# Allegro board HB1A-AAFM.brd (continued)
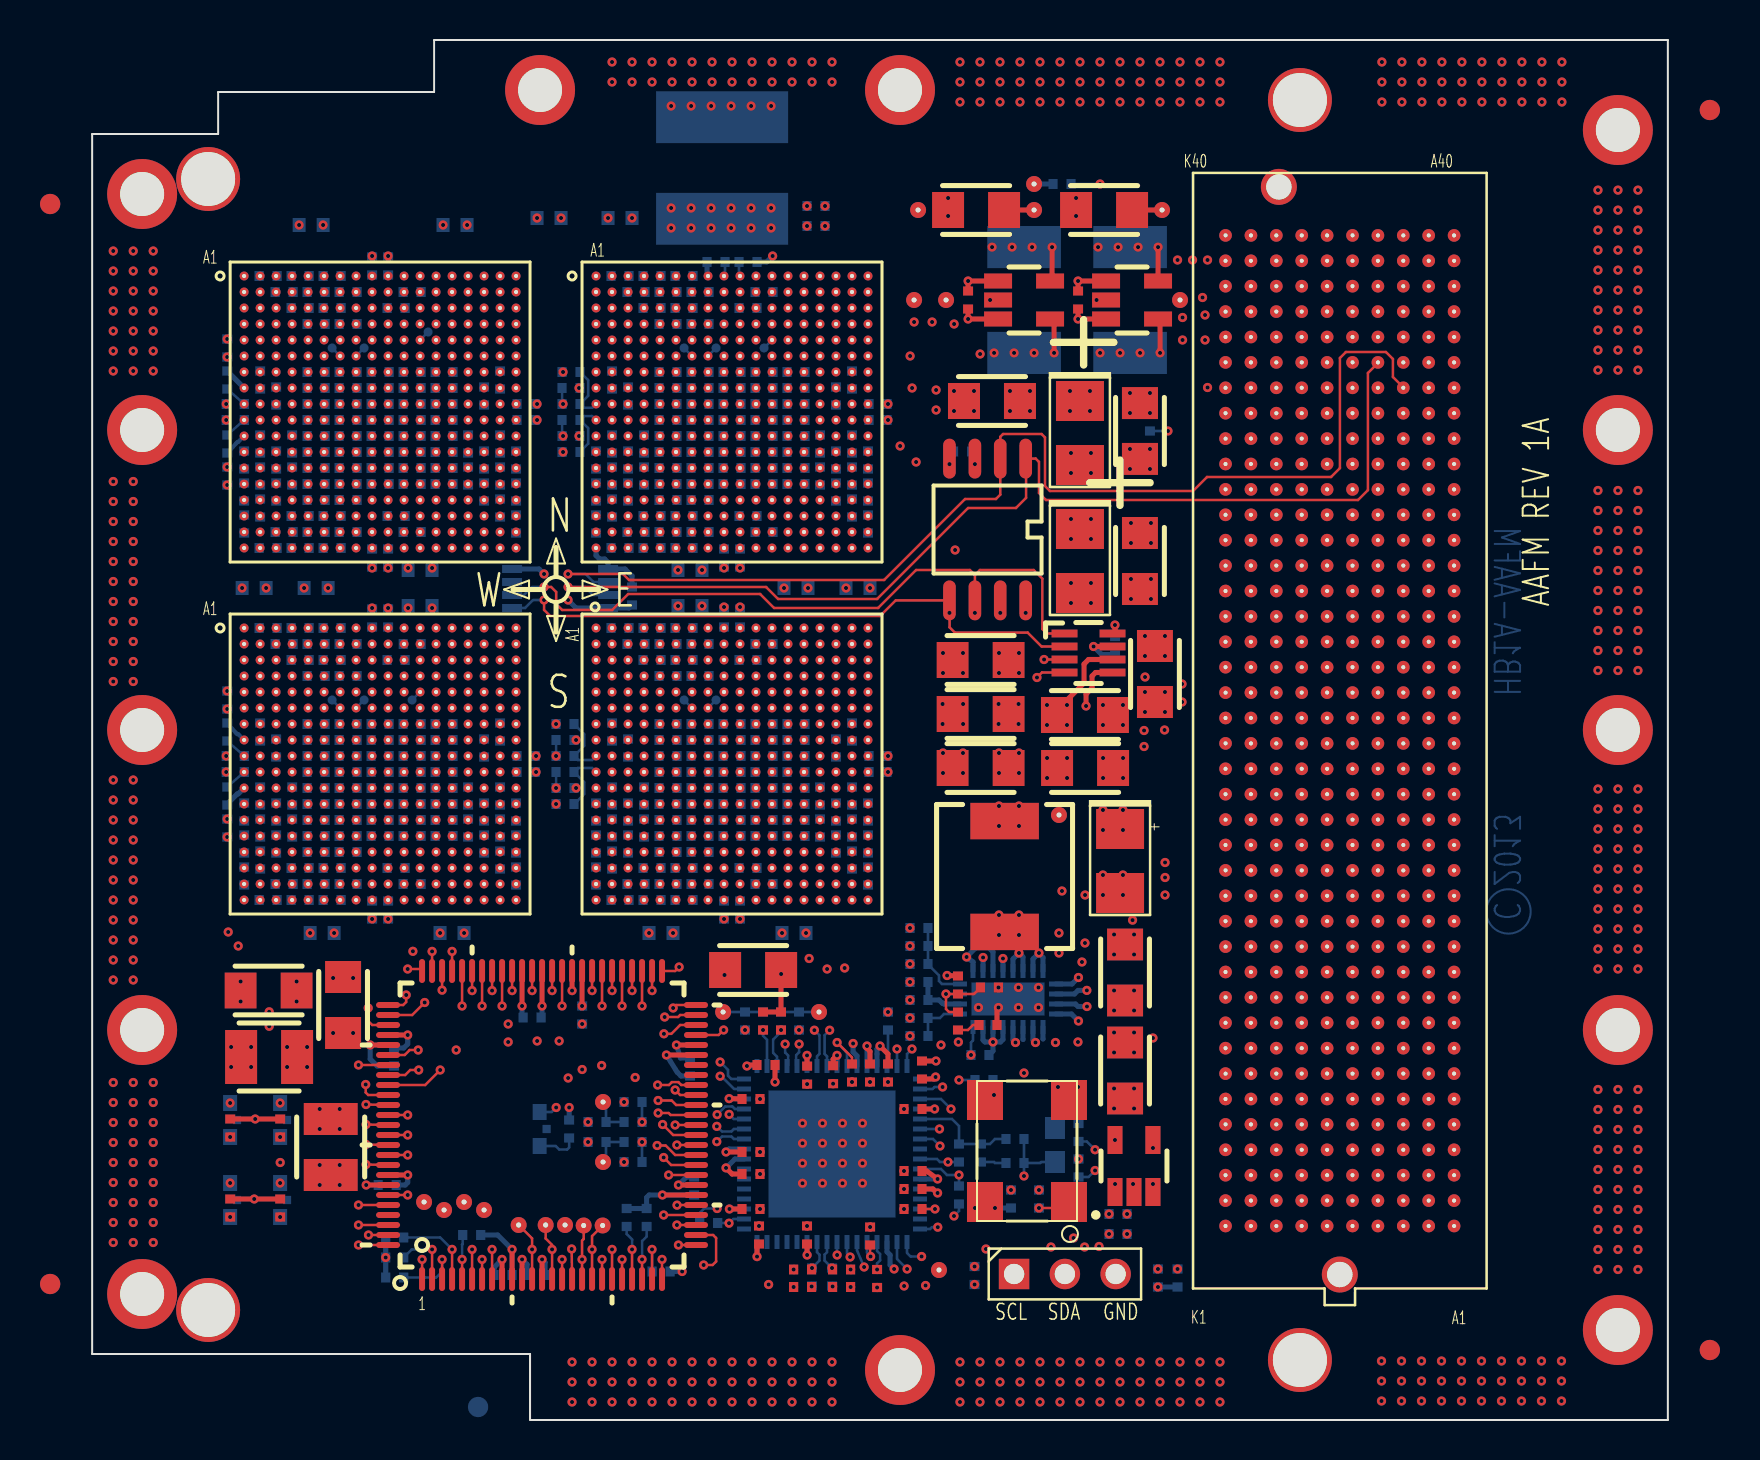
[diagram p0: board, top side]
## Routing (per net, layer and track width the routed paths; a pad name or vN(x,y) marks a point on that pad's centre or on a via; arc(x,y) is an arc through that point) (continued)
U4.E14 ; U4.E14 35.27,54.33 ; U4.E14 35.92,53.67 ; U4.E14 35.92,54.33 ; P1.K33 57.07,49.95 ; P1.K33 56.29,50.73 ; P1.K33 57.07,50.73 ; P1.K33 56.29,49.95 ; P1.A25 68.5,39.79 ; P1.A25 67.72,40.57 ; P1.A25 67.72,39.79 ; P1.A25 68.5,40.57 ; 65.18,28.36 P1.C16 ; P1.C16 65.18,29.14 ; P1.C16 65.96,28.36 ; P1.C16 65.96,29.14 ; U7.L10 15.12,31.27 ; U7.L10 14.48,31.93 ; U7.L10 14.48,31.27 ; U7.L10 15.12,31.93 ; U4.G10 32.72,52.08 ; U4.G10 32.72,52.73 ; U4.G10 32.08,52.73 ; U4.G10 32.08,52.08 ; P1.B3 67.23,11.85 ; P1.B3 66.45,12.63 ; P1.B3 66.45,11.85 ; P1.B3 67.23,12.63 ; U8.D15 36.72,37.52 ; U8.D15 36.08,36.88 ; U8.D15 36.72,36.88 ; U8.D15 36.08,37.52 ; 33.67,47.92 U4.N12 ; U4.N12 33.67,47.27 ; U4.N12 34.33,47.92 ; U4.N12 34.33,47.27 ; U4.R4 27.92,46.33 ; U4.R4 27.92,45.67 ; U4.R4 27.27,46.33 ; U4.R4 27.27,45.67 ; P1.C4 65.96,13.9 ; P1.C4 65.18,13.9 ; P1.C4 65.96,13.12 ; P1.C4 65.18,13.12 ; P1.B38 67.23,56.3 ; P1.B38 66.45,57.08 ; P1.B38 66.45,56.3 ; P1.B38 67.23,57.08 ; U7.G10 15.12,35.12 ; U7.G10 14.48,34.48 ; U7.G10 14.48,35.12 ; U7.G10 15.12,34.48 ; U7.H11 15.92,34.33 ; U7.H11 15.27,34.33 ; U7.H11 15.27,33.67 ; U7.H11 15.92,33.67 ; 60.1,58.84 P1.G40 ; P1.G40 60.1,59.62 ; P1.G40 60.88,59.62 ; P1.G40 60.88,58.84 ; U3.R4 10.32,45.67 ; U3.R4 9.67,46.33 ; U3.R4 9.67,45.67 ; U3.R4 10.32,46.33 ; U3.H13 17.52,51.27 ; U3.H13 16.88,51.27 ; U3.H13 17.52,51.92 ; U3.H13 16.88,51.92 ; U3.N12 16.73,47.92 ; U3.N12 16.73,47.27 ; U3.N12 16.07,47.92 ; U3.N12 16.07,47.27 ; 67.72,48.68 P1.A32 ; P1.A32 68.5,49.46 ; P1.A32 67.72,49.46 ; P1.A32 68.5,48.68 ; U8.A8 31.12,39.92 ; U8.A8 30.47,39.92 ; U8.A8 30.47,39.27 ; U8.A8 31.12,39.27 ; U8.K13 35.12,32.73 ; U8.K13 34.47,32.08 ; U8.K13 34.47,32.73 ; U8.K13 35.12,32.08 ; 61.37,10.58 P1.F2 ; P1.F2 61.37,11.36 ; P1.F2 62.15,10.58 ; P1.F2 62.15,11.36 ; U4.H1 25.52,51.27 ; U4.H1 25.52,51.92 ; U4.H1 24.88,51.27 ; U4.H1 24.88,51.92 ; U3.L1 7.92,49.52 ; U3.L1 7.27,48.88 ; U3.L1 7.92,48.88 ; U3.L1 7.27,49.52 ; U3.P5 11.12,46.48 ; U3.P5 10.48,46.48 ; U3.P5 11.12,47.12 ; U3.P5 10.48,47.12 ; 17.67,36.73 U7.E14 ; U7.E14 18.32,36.73 ; U7.E14 17.67,36.08 ; U7.E14 18.32,36.08 ; P1.A28 68.5,43.6 ; P1.A28 67.72,44.38 ; P1.A28 67.72,43.6 ; P1.A28 68.5,44.38 ; U8.H11 33.52,33.67 ; U8.H11 32.88,33.67 ; U8.H11 32.88,34.33 ; U8.H11 33.52,34.33 ; 16.07,29.68 U7.N12 ; U7.N12 16.07,30.32 ; U7.N12 16.73,29.68 ; U7.N12 16.73,30.32 ; 63.91,29.14 P1.D16 ; P1.D16 63.91,28.36 ; P1.D16 64.69,29.14 ; P1.D16 64.69,28.36 ; U3.K9 14.32,50.33 ; U3.K9 13.67,49.67 ; U3.K9 13.67,50.33 ; U3.K9 14.32,49.67 ; P1.D39 64.69,58.35 ; P1.D39 63.91,57.57 ; P1.D39 64.69,57.57 ; P1.D39 63.91,58.35 ; P1.C24 65.96,39.3 ; P1.C24 65.96,38.52 ; P1.C24 65.18,38.52 ; P1.C24 65.18,39.3 ; 12.88,33.52 U7.J8 ; U7.J8 12.88,32.88 ; U7.J8 13.52,33.52 ; U7.J8 13.52,32.88 ; 66.45,21.52 P1.B10 ; P1.B10 66.45,20.74 ; P1.B10 67.23,21.52 ; P1.B10 67.23,20.74 ; U4.H11 33.52,51.92 ; U4.H11 32.88,51.92 ; U4.H11 33.52,51.27 ; U4.H11 32.88,51.27 ; P1.B19 67.23,32.17 ; P1.B19 66.45,32.17 ; P1.B19 67.23,32.95 ; P1.B19 66.45,32.95 ; 61.37,16.44 P1.F6 ; P1.F6 61.37,15.66 ; P1.F6 62.15,15.66 ; P1.F6 62.15,16.44 ; 16.07,33.52 U7.J12 ; U7.J12 16.07,32.88 ; U7.J12 16.73,33.52 ; U7.J12 16.73,32.88 ; U8.F14 35.92,35.92 ; U8.F14 35.27,35.92 ; U8.F14 35.92,35.27 ; U8.F14 35.27,35.27 ; P1.E11 63.42,22.01 ; P1.E11 62.64,22.79 ; P1.E11 62.64,22.01 ; P1.E11 63.42,22.79 ; U8.A18 39.12,39.27 ; U8.A18 38.47,39.92 ; U8.A18 39.12,39.92 ; U8.A18 38.47,39.27 ; 15.27,32.73 U7.K11 ; U7.K11 15.92,32.08 ; U7.K11 15.27,32.08 ; U7.K11 15.92,32.73 ; 15.27,29.52 U7.P11 ; U7.P11 15.92,28.88 ; U7.P11 15.27,28.88 ; U7.P11 15.92,29.52 ; U7.H7 12.73,34.33 ; U7.H7 12.07,33.67 ; U7.H7 12.07,34.33 ; U7.H7 12.73,33.67 ; 12.88,31.93 U7.L8 ; U7.L8 13.52,31.93 ; U7.L8 12.88,31.27 ; U7.L8 13.52,31.27 ; 10.48,48.73 U3.M5 ; U3.M5 10.48,48.08 ; U3.M5 11.12,48.08 ; U3.M5 11.12,48.73 ; U7.A11 15.92,39.27 ; U7.A11 15.92,39.92 ; U7.A11 15.27,39.27 ; U7.A11 15.27,39.92 ; 65.18,35.49 P1.C21 ; P1.C21 65.96,35.49 ; P1.C21 65.96,34.71 ; P1.C21 65.18,34.71 ; 58.83,50.73 P1.H33 ; P1.H33 59.61,50.73 ; P1.H33 58.83,49.95 ; P1.H33 59.61,49.95 ; U3.R15 19.12,46.33 ; U3.R15 18.48,46.33 ; U3.R15 19.12,45.67 ; U3.R15 18.48,45.67 ; P1.B6 67.23,16.44 ; P1.B6 66.45,16.44 ; P1.B6 66.45,15.66 ; P1.B6 67.23,15.66 ; P1.A33 68.5,49.95 ; P1.A33 67.72,49.95 ; P1.A33 68.5,50.73 ; P1.A33 67.72,50.73 ; P1.K15 57.07,27.09 ; P1.K15 56.29,27.09 ; P1.K15 56.29,27.87 ; P1.K15 57.07,27.87 ; U4.M11 33.52,48.08 ; U4.M11 33.52,48.73 ; U4.M11 32.88,48.73 ; U4.M11 32.88,48.08 ; 57.56,13.9 P1.J4 ; P1.J4 57.56,13.12 ; P1.J4 58.34,13.9 ; P1.J4 58.34,13.12 ; U8.L18 39.12,31.27 ; U8.L18 38.47,31.27 ; U8.L18 38.47,31.93 ; U8.L18 39.12,31.93 ; P1.A40 68.5,58.84 ; P1.A40 67.72,59.62 ; P1.A40 67.72,58.84 ; P1.A40 68.5,59.62 ; U7.N8 13.52,30.32 ; U7.N8 13.52,29.68 ; U7.N8 12.88,30.32 ; U7.N8 12.88,29.68 ; P1.D13 64.69,24.55 ; P1.D13 63.91,24.55 ; P1.D13 64.69,25.33 ; P1.D13 63.91,25.33 ; 17.67,48.88 U3.L14 ; U3.L14 18.32,49.52 ; U3.L14 17.67,49.52 ; U3.L14 18.32,48.88 ; 26.48,44.88 U4.T3 ; U4.T3 27.12,44.88 ; U4.T3 27.12,45.52 ; U4.T3 26.48,45.52 ; 34.47,36.73 U8.E13 ; U8.E13 35.12,36.08 ; U8.E13 35.12,36.73 ; U8.E13 34.47,36.08 ; 38.47,51.27 U4.H18 ; U4.H18 39.12,51.92 ; U4.H18 39.12,51.27 ; U4.H18 38.47,51.92 ; 62.64,26.6 P1.E14 ; P1.E14 63.42,26.6 ; P1.E14 63.42,25.82 ; P1.E14 62.64,25.82 ; 63.91,40.57 P1.D25 ; P1.D25 64.69,39.79 ; P1.D25 63.91,39.79 ; P1.D25 64.69,40.57 ; 10.48,33.67 U7.H5 ; U7.H5 11.12,33.67 ; U7.H5 10.48,34.33 ; U7.H5 11.12,34.33 ; P1.G32 60.88,48.68 ; P1.G32 60.88,49.46 ; P1.G32 60.1,48.68 ; P1.G32 60.1,49.46 ; 7.27,57.52 U3.A1 ; U3.A1 7.92,56.88 ; U3.A1 7.27,56.88 ; U3.A1 7.92,57.52 ; P1.K24 57.07,38.52 ; P1.K24 57.07,39.3 ; P1.K24 56.29,39.3 ; P1.K24 56.29,38.52 ; P1.F27 62.15,42.33 ; P1.F27 61.37,42.33 ; P1.F27 61.37,43.11 ; P1.F27 62.15,43.11 ; U8.L1 25.52,31.93 ; U8.L1 25.52,31.27 ; U8.L1 24.88,31.93 ; U8.L1 24.88,31.27 ; P1.F39 62.15,58.35 ; P1.F39 62.15,57.57 ; P1.F39 61.37,58.35 ; P1.F39 61.37,57.57 ; U8.U2 26.32,26.48 ; U8.U2 25.67,27.12 ; U8.U2 25.67,26.48 ; U8.U2 26.32,27.12 ; 61.37,39.3 P1.F24 ; P1.F24 62.15,39.3 ; P1.F24 61.37,38.52 ; P1.F24 62.15,38.52 ; P1.E26 63.42,41.84 ; P1.E26 62.64,41.06 ; P1.E26 62.64,41.84 ; P1.E26 63.42,41.06 ; 11.27,54.33 U3.E6 ; U3.E6 11.92,53.67 ; U3.E6 11.27,53.67 ; U3.E6 11.92,54.33 ; U7.T16 19.92,27.93 ; U7.T16 19.27,27.93 ; U7.T16 19.92,27.27 ; U7.T16 19.27,27.27 ; 28.07,35.92 U8.F5 ; U8.F5 28.72,35.27 ; U8.F5 28.07,35.27 ; U8.F5 28.72,35.92 ; U3.K13 17.52,50.33 ; U3.K13 16.88,49.67 ; U3.K13 16.88,50.33 ; U3.K13 17.52,49.67 ; U7.U17 20.73,26.48 ; U7.U17 20.07,26.48 ; U7.U17 20.07,27.12 ; U7.U17 20.73,27.12 ; 32.88,29.52 U8.P11 ; U8.P11 33.52,29.52 ; U8.P11 32.88,28.88 ; U8.P11 33.52,28.88 ; U7.H13 17.52,34.33 ; U7.H13 16.88,33.67 ; U7.H13 16.88,34.33 ; U7.H13 17.52,33.67 ; 28.07,53.52 U4.F5 ; U4.F5 28.07,52.88 ; U4.F5 28.72,52.88 ; U4.F5 28.72,53.52 ; 65.18,15.17 P1.C5 ; P1.C5 65.96,15.17 ; P1.C5 65.18,14.39 ; P1.C5 65.96,14.39 ; U3.L8 13.52,49.52 ; U3.L8 12.88,48.88 ; U3.L8 13.52,48.88 ; U3.L8 12.88,49.52 ; 16.88,35.92 U7.F13 ; U7.F13 16.88,35.27 ; U7.F13 17.52,35.27 ; U7.F13 17.52,35.92 ; P1.B23 67.23,37.25 ; P1.B23 66.45,37.25 ; P1.B23 66.45,38.03 ; P1.B23 67.23,38.03 ; U7.V18 21.52,25.68 ; U7.V18 20.88,25.68 ; U7.V18 20.88,26.32 ; U7.V18 21.52,26.32 ; 34.47,48.73 U4.M13 ; U4.M13 35.12,48.73 ; U4.M13 35.12,48.08 ; U4.M13 34.47,48.08 ; 19.27,44.88 U3.T16 ; U3.T16 19.92,45.52 ; U3.T16 19.27,45.52 ; U3.T16 19.92,44.88 ; U3.M11 15.92,48.08 ; U3.M11 15.27,48.08 ; U3.M11 15.27,48.73 ; U3.M11 15.92,48.73 ; 18.48,28.73 U7.R15 ; U7.R15 18.48,28.07 ; U7.R15 19.12,28.07 ; U7.R15 19.12,28.73 ; 32.88,26.32 U8.V11 ; U8.V11 32.88,25.68 ; U8.V11 33.52,25.68 ; U8.V11 33.52,26.32 ; P1.F21 62.15,35.49 ; P1.F21 61.37,34.71 ; P1.F21 62.15,34.71 ; P1.F21 61.37,35.49 ; U4.H9 31.92,51.27 ; U4.H9 31.92,51.92 ; U4.H9 31.27,51.92 ; U4.H9 31.27,51.27 ; 9.67,37.52 U7.D4 ; U7.D4 9.67,36.88 ; U7.D4 10.32,37.52 ; U7.D4 10.32,36.88 ; P1.B15 67.23,27.09 ; P1.B15 66.45,27.87 ; P1.B15 67.23,27.87 ; P1.B15 66.45,27.09 ; 66.45,52 P1.B34 ; P1.B34 66.45,51.22 ; P1.B34 67.23,51.22 ; P1.B34 67.23,52 ; U3.G14 18.32,52.08 ; U3.G14 17.67,52.73 ; U3.G14 18.32,52.73 ; U3.G14 17.67,52.08 ; 30.47,47.92 U4.N8 ; U4.N8 31.12,47.92 ; U4.N8 30.47,47.27 ; U4.N8 31.12,47.27 ; 35.27,29.68 U8.N14 ; U8.N14 35.92,29.68 ; U8.N14 35.27,30.32 ; U8.N14 35.92,30.32 ; 16.07,51.12 U3.J12 ; U3.J12 16.73,50.48 ; U3.J12 16.73,51.12 ; U3.J12 16.07,50.48 ; 60.1,13.9 P1.G4 ; P1.G4 60.1,13.12 ; P1.G4 60.88,13.12 ; P1.G4 60.88,13.9 ; 66.45,36.76 P1.B22 ; P1.B22 67.23,36.76 ; P1.B22 67.23,35.98 ; P1.B22 66.45,35.98 ; P1.J40 58.34,59.62 ; P1.J40 57.56,59.62 ; P1.J40 58.34,58.84 ; P1.J40 57.56,58.84 ; U3.E14 18.46,54.46 ; U3.U17 20.73,44.08 ; U3.U17 20.73,44.73 ; U3.U17 20.07,44.73 ; U3.U17 20.07,44.08 ; U7.L6 11.92,31.27 ; U7.L6 11.27,31.93 ; U7.L6 11.27,31.27 ; U7.L6 11.92,31.93 ; U8.M13 35.12,31.12 ; U8.M13 35.12,30.48 ; U8.M13 34.47,30.48 ; U8.M13 34.47,31.12 ; U7.B2 8.73,38.48 ; U7.B2 8.73,39.12 ; U7.B2 8.07,39.12 ; U7.B2 8.07,38.48 ; U8.H18 39.12,34.33 ; U8.H18 38.47,34.33 ; U8.H18 38.47,33.67 ; U8.H18 39.12,33.67 ; 11.27,47.27 U3.N6 ; U3.N6 11.92,47.27 ; U3.N6 11.27,47.92 ; U3.N6 11.92,47.92 ; 62.64,33.44 P1.E20 ; P1.E20 63.42,34.22 ; P1.E20 62.64,34.22 ; P1.E20 63.42,33.44 ; 66.45,22.79 P1.B11 ; P1.B11 66.45,22.01 ; P1.B11 67.23,22.01 ; P1.B11 67.23,22.79 ; U7.H18 21.52,34.33 ; U7.H18 20.88,33.67 ; U7.H18 20.88,34.33 ; U7.H18 21.52,33.67 ; U3.H11 15.92,51.27 ; U3.H11 15.27,51.27 ; U3.H11 15.27,51.92 ; U3.H11 15.92,51.92 ; U7.G14 18.32,35.12 ; U7.G14 17.67,35.12 ; U7.G14 18.32,34.48 ; U7.G14 17.67,34.48 ; P1.E8 63.42,18.2 ; P1.E8 62.64,18.2 ; P1.E8 62.64,18.98 ; P1.E8 63.42,18.98 ; U3.L18 21.52,49.52 ; U3.L18 21.52,48.88 ; U3.L18 20.88,49.52 ; U3.L18 20.88,48.88 ; 34.47,49.67 U4.K13 ; U4.K13 35.12,50.33 ; U4.K13 34.47,50.33 ; U4.K13 35.12,49.67 ; U8.V1 25.52,26.32 ; U8.V1 25.52,25.68 ; U8.V1 24.88,25.68 ; U8.V1 24.88,26.32 ; 28.88,30.32 U8.N6 ; U8.N6 29.52,30.32 ; U8.N6 29.52,29.68 ; U8.N6 28.88,29.68 ; P1.H36 59.61,53.76 ; P1.H36 58.83,54.54 ; P1.H36 59.61,54.54 ; P1.H36 58.83,53.76 ; P1.B18 67.23,30.9 ; P1.B18 66.45,31.68 ; P1.B18 66.45,30.9 ; P1.B18 67.23,31.68 ; 8.88,27.93 U7.T3 ; U7.T3 9.52,27.93 ; U7.T3 8.88,27.27 ; U7.T3 9.52,27.27 ; 61.37,46.92 P1.F30 ; P1.F30 61.37,46.14 ; P1.F30 62.15,46.92 ; P1.F30 62.15,46.14 ; U8.L6 29.52,31.27 ; U8.L6 28.88,31.93 ; U8.L6 28.88,31.27 ; U8.L6 29.52,31.93 ; U8.K5 28.72,32.73 ; U8.K5 28.07,32.73 ; U8.K5 28.72,32.08 ; U8.K5 28.07,32.08 ; 10.48,53.67 U3.E5 ; U3.E5 11.12,54.33 ; U3.E5 10.48,54.33 ; U3.E5 11.12,53.67 ; J1.3 51.89,8 ; J1.3 50.48,6.6 ; J1.3 51.89,6.6 ; J1.3 50.48,8 ; U3.M13 17.52,48.73 ; U3.M13 17.52,48.08 ; U3.M13 16.88,48.73 ; U3.M13 16.88,48.08 ; 12.88,43.92 U3.V8 ; U3.V8 12.88,43.27 ; U3.V8 13.52,43.27 ; U3.V8 13.52,43.92 ; U7.U2 8.73,26.48 ; U7.U2 8.73,27.12 ; U7.U2 8.07,27.12 ; U7.U2 8.07,26.48 ; U4.K5 28.72,49.67 ; U4.K5 28.07,50.33 ; U4.K5 28.07,49.67 ; U4.K5 28.72,50.33 ; 57.56,26.6 P1.J14 ; P1.J14 58.34,26.6 ; P1.J14 57.56,25.82 ; P1.J14 58.34,25.82 ; U3.B17 20.73,56.73 ; U3.B17 20.07,56.73 ; U3.B17 20.07,56.08 ; U3.B17 20.73,56.08 ; 36.88,27.27 U8.T16 ; U8.T16 37.52,27.93 ; U8.T16 37.52,27.27 ; U8.T16 36.88,27.93 ; P1.K36 57.07,53.76 ; P1.K36 56.29,54.54 ; P1.K36 56.29,53.76 ; P1.K36 57.07,54.54 ; U8.B17 38.33,39.12 ; U8.B17 37.67,38.48 ; U8.B17 37.67,39.12 ; U8.B17 38.33,38.48 ; 29.67,51.27 U4.H7 ; U4.H7 30.32,51.92 ; U4.H7 29.67,51.92 ; U4.H7 30.32,51.27 ; 35.27,31.27 U8.L14 ; U8.L14 35.92,31.27 ; U8.L14 35.27,31.93 ; U8.L14 35.92,31.93 ; 60.1,18.98 P1.G8 ; P1.G8 60.88,18.2 ; P1.G8 60.88,18.98 ; P1.G8 60.1,18.2 ; U8.H5 28.72,34.33 ; U8.H5 28.07,34.33 ; U8.H5 28.07,33.67 ; U8.H5 28.72,33.67 ; P1.A5 68.5,15.17 ; P1.A5 67.72,15.17 ; P1.A5 67.72,14.39 ; P1.A5 68.5,14.39 ; P1.K6 57.07,15.66 ; P1.K6 57.07,16.44 ; P1.K6 56.29,15.66 ; P1.K6 56.29,16.44 ; 67.72,18.2 P1.A8 ; P1.A8 68.5,18.2 ; P1.A8 67.72,18.98 ; P1.A8 68.5,18.98 ; 16.07,52.08 U3.G12 ; U3.G12 16.73,52.73 ; U3.G12 16.07,52.73 ; U3.G12 16.73,52.08 ; 28.88,52.88 U4.F6 ; U4.F6 29.52,53.52 ; U4.F6 28.88,53.52 ; U4.F6 29.52,52.88 ; 61.37,31.68 P1.F18 ; P1.F18 61.37,30.9 ; P1.F18 62.15,30.9 ; P1.F18 62.15,31.68 ; 7.27,34.33 U7.H1 ; U7.H1 7.92,33.67 ; U7.H1 7.27,33.67 ; U7.H1 7.92,34.33 ; P1.A36 68.5,54.54 ; P1.A36 67.72,53.76 ; P1.A36 68.5,53.76 ; P1.A36 67.72,54.54 ; U8.N10 32.72,30.32 ; U8.N10 32.08,29.68 ; U8.N10 32.08,30.32 ; U8.N10 32.72,29.68 ; 14.48,51.12 U3.J10 ; U3.J10 15.12,51.12 ; U3.J10 15.12,50.48 ; U3.J10 14.48,50.48 ; U3.K11 15.92,50.33 ; U3.K11 15.27,49.67 ; U3.K11 15.27,50.33 ; U3.K11 15.92,49.67 ; 33.67,48.88 U4.L12 ; U4.L12 34.33,48.88 ; U4.L12 34.33,49.52 ; U4.L12 33.67,49.52 ; P1.D37 64.69,55.81 ; P1.D37 63.91,55.81 ; P1.D37 64.69,55.03 ; P1.D37 63.91,55.03 ; U7.N6 11.92,29.68 ; U7.N6 11.27,30.32 ; U7.N6 11.27,29.68 ; U7.N6 11.92,30.32 ; U7.N14 18.32,30.32 ; U7.N14 17.67,29.68 ; U7.N14 18.32,29.68 ; U7.N14 17.67,30.32 ; U4.V18 39.12,43.27 ; U4.V18 38.47,43.27 ; U4.V18 39.12,43.92 ; U4.V18 38.47,43.92 ; U8.K9 31.92,32.08 ; U8.K9 31.27,32.73 ; U8.K9 31.27,32.08 ; U8.K9 31.92,32.73 ; P1.D2 64.69,11.36 ; P1.D2 63.91,11.36 ; P1.D2 64.69,10.58 ; P1.D2 63.91,10.58 ; U7.E5 11.12,36.08 ; U7.E5 10.48,36.73 ; U7.E5 10.48,36.08 ; U7.E5 11.12,36.73 ; 24.88,43.27 U4.V1 ; U4.V1 24.88,43.92 ; U4.V1 25.52,43.92 ; U4.V1 25.52,43.27 ; U3.H1 7.92,51.27 ; U3.H1 7.27,51.27 ; U3.H1 7.27,51.92 ; U3.H1 7.92,51.92 ; P1.E38 63.42,56.3 ; P1.E38 62.64,56.3 ; P1.E38 62.64,57.08 ; P1.E38 63.42,57.08 ; 15.27,43.27 U3.V11 ; U3.V11 15.27,43.92 ; U3.V11 15.92,43.92 ; U3.V11 15.92,43.27 ; 63.91,32.17 P1.D19 ; P1.D19 64.69,32.95 ; P1.D19 63.91,32.95 ; P1.D19 64.69,32.17 ; 57.56,15.17 P1.J5 ; P1.J5 58.34,14.39 ; P1.J5 58.34,15.17 ; P1.J5 57.56,14.39 ; P1.G29 60.88,45.65 ; P1.G29 60.1,44.87 ; P1.G29 60.1,45.65 ; P1.G29 60.88,44.87 ; 32.08,31.93 U8.L10 ; U8.L10 32.08,31.27 ; U8.L10 32.72,31.27 ; U8.L10 32.72,31.93 ; 14.48,30.32 U7.N10 ; U7.N10 15.12,30.32 ; U7.N10 14.48,29.68 ; U7.N10 15.12,29.68 ; P1.B14 67.23,25.82 ; P1.B14 66.45,26.6 ; P1.B14 66.45,25.82 ; P1.B14 67.23,26.6 ; U4.G12 34.33,52.73 ; U4.G12 33.67,52.73 ; U4.G12 33.67,52.08 ; U4.G12 34.33,52.08 ; 11.27,33.52 U7.J6 ; U7.J6 11.27,32.88 ; U7.J6 11.92,32.88 ; U7.J6 11.92,33.52 ; P1.K12 57.07,23.28 ; P1.K12 56.29,23.28 ; P1.K12 57.07,24.06 ; P1.K12 56.29,24.06 ; 9.67,28.73 U7.R4 ; U7.R4 10.32,28.07 ; U7.R4 10.32,28.73 ; U7.R4 9.67,28.07 ; 33.67,33.52 U8.J12 ; U8.J12 34.33,32.88 ; U8.J12 34.33,33.52 ; U8.J12 33.67,32.88 ; U8.G12 34.33,34.48 ; U8.G12 33.67,35.12 ; U8.G12 34.33,35.12 ; U8.G12 33.67,34.48 ; 25.67,44.08 U4.U2 ; U4.U2 25.67,44.73 ; U4.U2 26.32,44.73 ; U4.U2 26.32,44.08 ; P1.E29 63.42,45.65 ; P1.E29 62.64,44.87 ; P1.E29 62.64,45.65 ; P1.E29 63.42,44.87 ; P1.K39 57.07,58.35 ; P1.K39 57.07,57.57 ; P1.K39 56.29,57.57 ; P1.K39 56.29,58.35 ; 57.56,48.68 P1.J32 ; P1.J32 58.34,49.46 ; P1.J32 58.34,48.68 ; P1.J32 57.56,49.46 ; U8.G14 35.92,35.12 ; U8.G14 35.27,34.48 ; U8.G14 35.92,34.48 ; U8.G14 35.27,35.12 ; 65.18,9.31 P1.C1 ; P1.C1 65.18,10.09 ; P1.C1 65.96,10.09 ; P1.C1 65.96,9.31 ; 58.83,43.11 P1.H27 ; P1.H27 58.83,42.33 ; P1.H27 59.61,42.33 ; P1.H27 59.61,43.11 ; 63.91,16.44 P1.D6 ; P1.D6 63.91,15.66 ; P1.D6 64.69,16.44 ; P1.D6 64.69,15.66 ; 60.1,34.22 P1.G20 ; P1.G20 60.88,33.44 ; P1.G20 60.1,33.44 ; P1.G20 60.88,34.22 ; 65.18,53.76 P1.C36 ; P1.C36 65.18,54.54 ; P1.C36 65.96,54.54 ; P1.C36 65.96,53.76 ; P1.G23 60.88,38.03 ; P1.G23 60.1,38.03 ; P1.G23 60.88,37.25 ; P1.G23 60.1,37.25 ; U7.K5 11.12,32.08 ; U7.K5 10.48,32.08 ; U7.K5 11.12,32.73 ; U7.K5 10.48,32.73 ; 32.88,57.52 U4.A11 ; U4.A11 32.88,56.88 ; U4.A11 33.52,56.88 ; U4.A11 33.52,57.52 ; 11.27,48.88 U3.L6 ; U3.L6 11.27,49.52 ; U3.L6 11.92,48.88 ; U3.L6 11.92,49.52 ; 32.88,46.48 U4.P11 ; U4.P11 33.52,47.12 ; U4.P11 33.52,46.48 ; U4.P11 32.88,47.12 ; P1.D28 64.69,44.38 ; P1.D28 64.69,43.6 ; P1.D28 63.91,43.6 ; P1.D28 63.91,44.38 ; U3.A11 15.92,57.52 ; U3.A11 15.92,56.88 ; U3.A11 15.27,57.52 ; U3.A11 15.27,56.88 ; 27.27,37.52 U8.D4 ; U8.D4 27.92,36.88 ; U8.D4 27.27,36.88 ; U8.D4 27.92,37.52 ; P1.H39 59.61,57.57 ; P1.H39 58.83,57.57 ; P1.H39 59.61,58.35 ; P1.H39 58.83,58.35 ; U8.E6 29.52,36.73 ; U8.E6 28.88,36.08 ; U8.E6 29.52,36.08 ; U8.E6 28.88,36.73 ; U7.L1 7.92,31.93 ; U7.L1 7.27,31.27 ; U7.L1 7.92,31.27 ; U7.L1 7.27,31.93 ; U8.H1 25.52,34.33 ; U8.H1 25.52,33.67 ; U8.H1 24.88,34.33 ; U8.H1 24.88,33.67 ; U4.G6 29.52,52.08 ; U4.G6 28.88,52.08 ; U4.G6 28.88,52.73 ; U4.G6 29.52,52.73 ; 28.07,53.67 U4.E5 ; U4.E5 28.72,53.67 ; U4.E5 28.07,54.33 ; U4.E5 28.72,54.33 ; P1.H12 59.61,24.06 ; P1.H12 59.61,23.28 ; P1.H12 58.83,24.06 ; P1.H12 58.83,23.28